# Allegro board T736_DEMO_DBOARD_V0-5-draft.brd (continued)
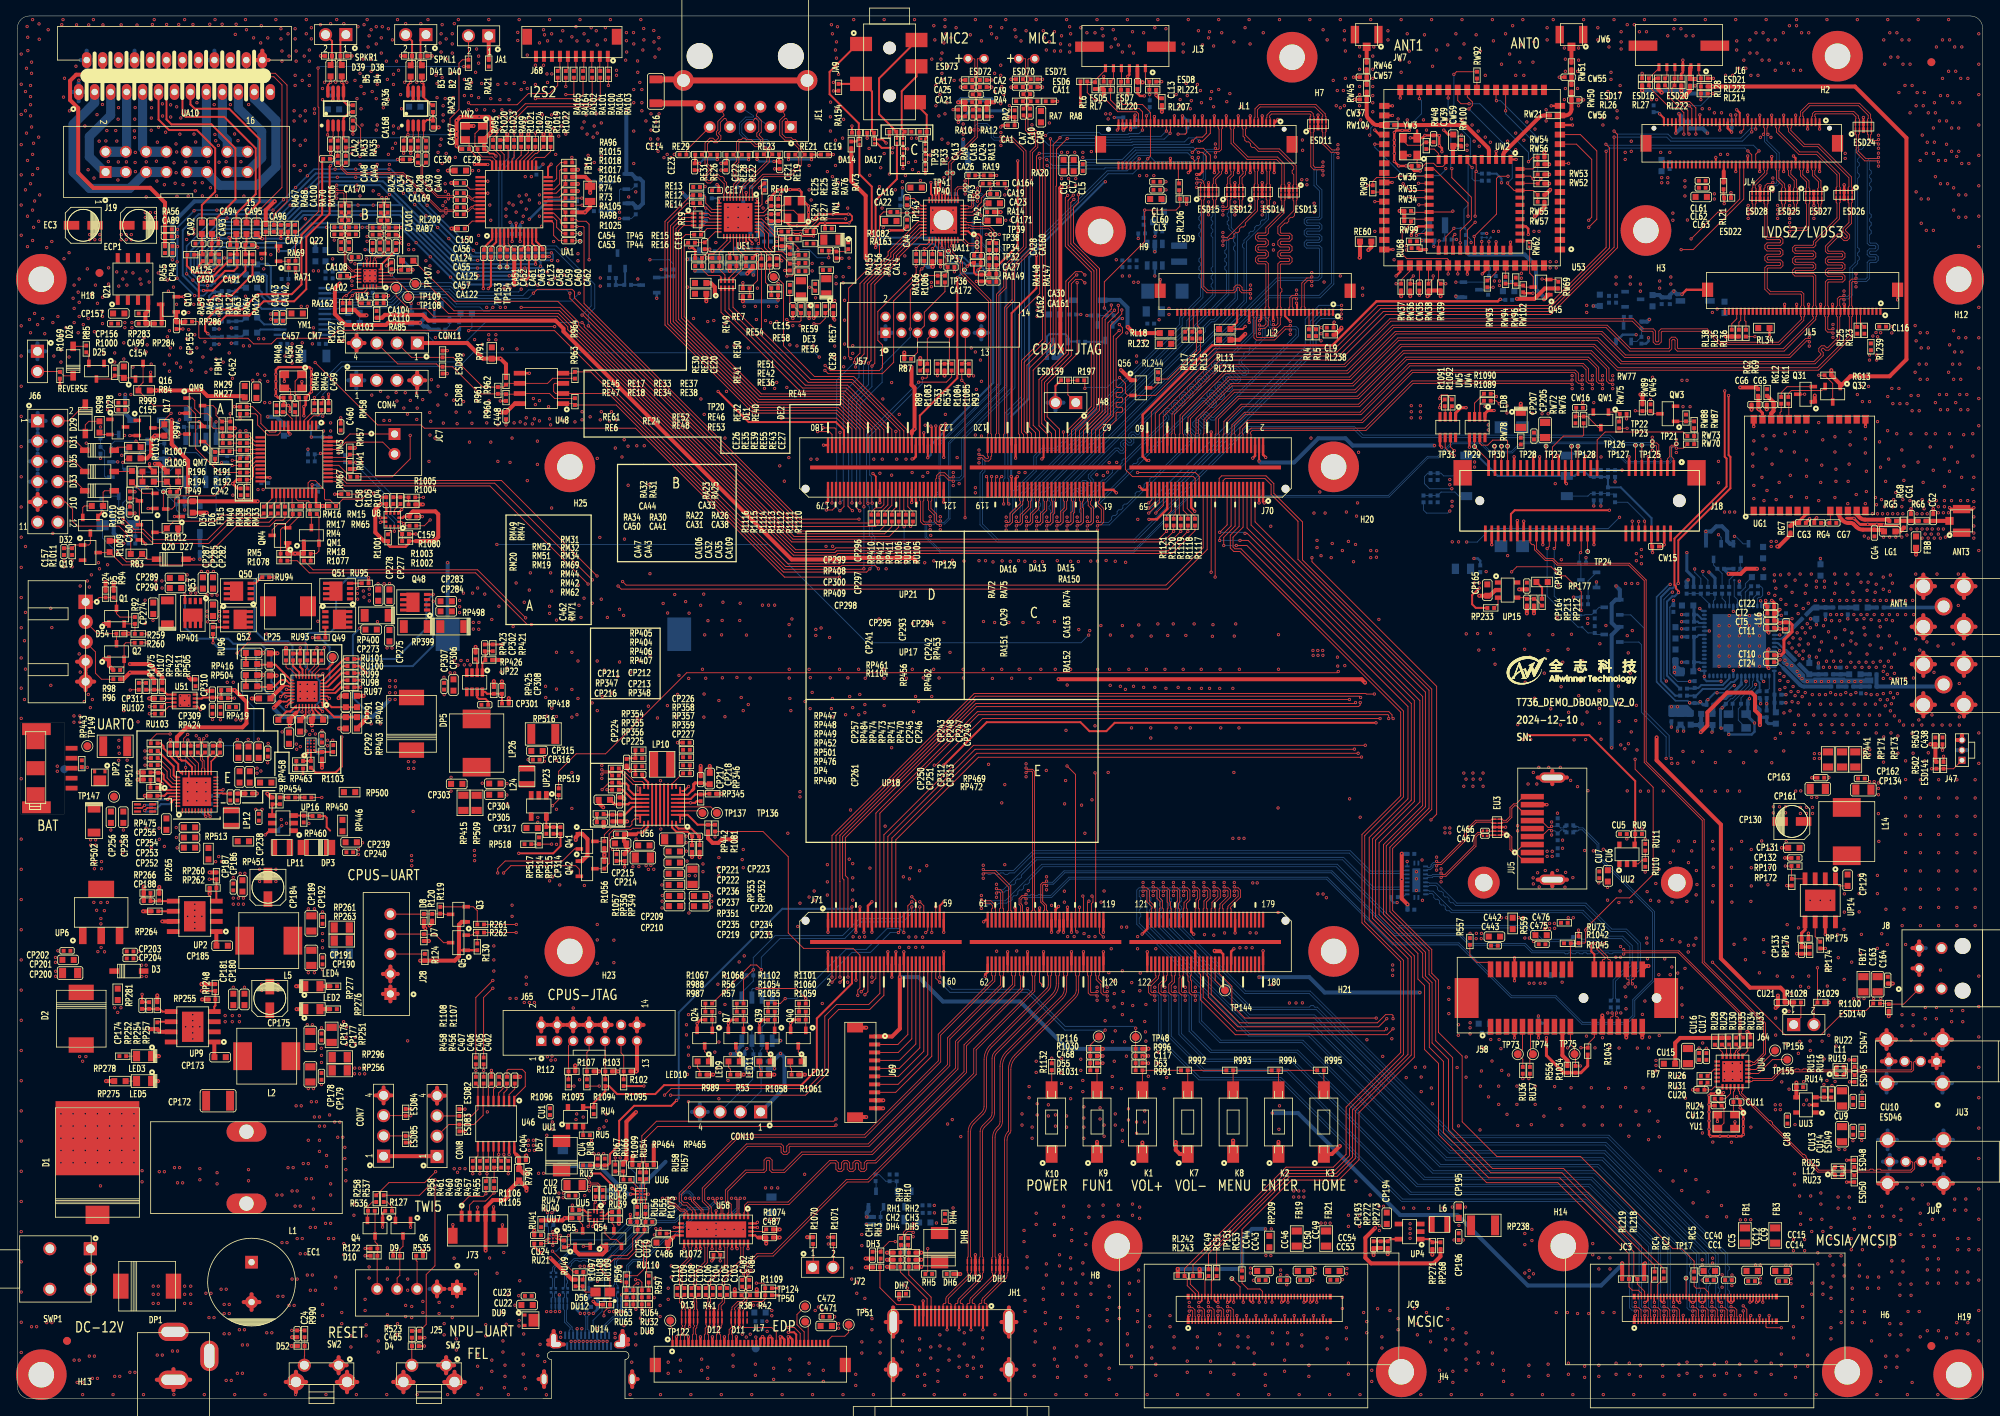
[diagram p0: board, top side]
## Placement (name value [footprint] x y rotation side) (continued)
RP492  0R  [R0402]  24.23 74.12 90 bottom
RP498  NC/0R  [R1206]  54.48 96.77 0 top
RP500  NC  [R0603]  41.62 76.02 180 top
RP501  NC/0R  [R0402]  16.26 78.49 0 top
RP502  NC/0R  [R1206]  9.6 72.45 90 top
RP504  0R  [R0402]  25.96 87.8 0 top
RP505  0R-1%  [R0402]  22.31 89.73 270 top
RP507  NC/0R  [R0805]  68.34 30.14 270 bottom
RP509  NC/0R  [R0805]  57.53 74.68 90 top
RP511  10K  [R0402]  18.16 89.28 90 top
RP512  0R  [R1210]  12.26 81.78 180 top
RP513  NC  [R0603]  23.94 68.31 90 top
RP514  20K-1%  [R0402]  66.27 71.22 90 top
RP515  91K-1%  [R0402]  67.16 71.22 90 top
RP516  NC/0R  [R1210]  65.89 83.31 0 top
RP517  100K  [R0402]  65.35 69.93 90 top
RP518  NC/100K  [R0402]  63.96 69.49 180 top
RP519  1K-1%  [R0402]  67.82 76.07 90 top
RT1  0R  [R0402]  208.74 89 180 bottom
RT2  0R  [R0402]  208.74 88.11 180 bottom
RT3  0R  [R0402]  214.45 101.32 90 bottom
RT4  0R  [R0402]  213.56 101.32 90 bottom
RT7  4K7  [R0402]  215.42 104.01 180 bottom
RT8  4K7  [R0402]  213.39 104.01 0 bottom
RT9  4R7  [R0603]  209.24 99.42 180 bottom
RT10  4R7  [R0603]  207.72 93.19 270 bottom
RT11  220R  [R0402]  226.52 98.74 270 bottom
RT12  220R  [R0402]  225.63 91.2 270 bottom
RT13  NC-10K  [R0402]  212.67 101.32 90 bottom
RT14  10K  [R0402]  209.12 101.32 90 bottom
RT15  2.2M  [R0402]  230.96 88.83 90 bottom
RT16  NC  [R0402]  211.78 101.32 90 bottom
RT17  NC  [R0402]  210.89 101.32 90 bottom
RU3  180K-1%  [R0402]  71.3 29.24 180 top
RU4  100K  [R0402]  72.2 36.09 90 top
RU5  6K8-1%  [R0402]  71.3 33.02 180 top
RU8  100K-1%  [R0402]  73.58 29.67 270 top
RU9  100K  [R0402]  203.1 70.76 180 top
RU10  6K8-1%  [R0402]  203.94 67.08 90 top
RU11  6K8-1%  [R0402]  203.94 69.11 270 top
RU12  0R  [R0402]  194.49 70.97 180 bottom
RU13  0R  [R0402]  194.49 71.86 180 bottom
RU14  NC/100K  [R0402]  223.29 39.04 180 top
RU15  6K8-1%  [R0402]  226.35 38.19 270 top
RU16  6K8-1%  [R0402]  227.25 38.19 270 top
RU17  0R  [R0201]  76.15 13.61 90 bottom
RU18  0R  [R0201]  68.36 13.59 90 bottom
RU19  0R  [R0402]  228.35 40.57 0 top
RU20  0R  [R0201]  68.96 13.59 90 bottom
RU21  0R  [R0402]  65.18 19.43 180 top
RU22  0R  [R0402]  228.35 41.59 0 top
RU23  0R  [R0402]  228.14 28.01 0 top
RU24  0R  [R0402]  213.06 37.59 180 top
RU25  0R  [R0402]  228.14 29.02 0 top
RU26  1K  [R0402]  211.32 40.46 0 top
RU28  100K  [R0402]  212.66 44.79 270 top
RU29  100K  [R0402]  213.55 44.8 270 top
RU30  100K  [R0402]  214.44 44.81 270 top
RU31  10K  [R0402]  211.31 39.61 0 top
RU32  2M  [R0402]  78.66 12.7 0 top
RU33  2K7-1%  [R0402]  217.11 44.85 270 top
RU34  0R  [R0402]  216.22 44.84 270 top
RU35  0R  [R0402]  215.33 44.83 270 top
RU36  NC/0R  [R0402]  188.59 41.15 90 top
RU37  NC/0R  [R0402]  189.48 41.15 90 top
RU38  0R  [R0402]  73.43 26.09 180 bottom
RU39  100K  [R0402]  74.93 22.5 0 top
RU40  100K  [R0402]  69.95 22.63 180 top
RU41  0R  [R0402]  65.61 21.92 90 top
RU42  0R  [R0201]  66.86 13.59 90 bottom
RU43  0R  [R0201]  74.63 13.61 90 bottom
RU44  0R  [R0201]  67.46 13.59 90 bottom
RU45  0R  [R0201]  75.23 13.61 90 bottom
RU46  0R  [R0201]  76.75 13.61 90 bottom
RU47  0R  [R0402]  69.95 23.65 180 top
RU48  0R  [R0402]  74.93 23.39 0 top
RU49  0R  [R0402]  68.48 19.41 270 top
RU50  5R1  [R0402]  71.73 13.28 270 bottom
RU51  5R1  [R0402]  70.92 13.28 270 bottom
RU52  0R  [R0402]  71.83 15.32 270 bottom
RU53  0R  [R0402]  70.82 15.32 270 bottom
RU54  10K  [R0402]  75.9 28.91 270 top
RU55  0R  [R0402]  78.69 23.6 270 top
RU56  0R  [R0402]  77.65 23.6 270 top
RU57  0R  [R0402]  78.79 27.94 90 top
RU58  0R  [R0402]  77.98 27.94 90 top
RU59  0R  [R0402]  76.35 27.46 180 top
RU63  100K  [R0402]  76.73 13.59 0 top
RU64  100K  [R0402]  78.66 13.59 180 top
RU65  2M  [R0402]  76.73 12.7 180 top
RU66  0R  [R0402]  73.33 25.73 270 top
RU67  0R  [R0402]  72.44 25.73 270 top
RU68  NC/0R  [R0402]  175.08 144.2 0 top
RU73  NC/0R  [R0402]  193.8 59.64 180 top
RU93  0R  [R0402]  38.16 95.39 0 top
RU94  0R  [R0402]  31.11 102.96 180 top
RU95  0R  [R0402]  43.57 102.2 0 top
RU96  0R  [R0402]  24.51 96.27 270 top
RU97  NC/0R  [R0402]  41.78 89.15 0 top
RU98  0R  [R0402]  41.78 90.04 0 top
RU99  NC/0R  [R0402]  41.78 90.93 0 top
RU100  NC/0R  [R0402]  41.78 91.82 0 top
RU101  0R  [R0402]  41.78 92.71 0 top
RU102  0R  [R0402]  17.65 86.74 180 top
RU103  0R  [R0402]  17.65 85.85 180 top
RU104  0R  [R0402]  37.21 92.96 90 top
RU105  0R  [R0402]  38.1 92.96 90 top
RU106  0R  [R0402]  36.32 92.96 90 top
RU107  0R  [R0402]  16.13 89.28 90 top
RU108  1K  [R0402]  70.82 14.5 90 top
RU109  47K  [R0402]  69.93 14.5 90 top
RU110  NC/0R  [R0402]  78.13 21.18 180 top
RW21  0R  [R0402]  192.43 160.83 0 top
RW31  10K  [R0402]  181.48 145.41 270 bottom
RW33  NC/0R  [R0201]  183.44 145.8 90 bottom
RW34  33K  [R0402]  174.17 147.57 180 top
RW35  33K  [R0402]  174.17 148.87 180 top
RW36  NC  [R0402]  174.5 139.32 270 top
RW37  33K  [R0402]  173.35 139.32 270 top
RW38  33K  [R0402]  176.78 139.32 270 top
RW39  33K  [R0402]  178.31 139.32 270 top
RW40  NC/100K  [R0402]  184.78 141.6 0 bottom
RW43  100K  [R0402]  184.78 140.72 180 bottom
RW44  NC/10K  [R0402]  183.9 152.65 0 bottom
RW45  0R  [R0402]  169.04 164.24 90 top
RW46  0R  [R0402]  169.04 167.03 90 top
RW47  NC/100K  [R0402]  183.9 153.54 180 bottom
RW48  0R  [R0402]  176.5 157.05 90 top
RW50  0R  [R0402]  194.69 164.24 90 top
RW51  0R  [R0402]  194.69 167.03 90 top
RW52  10K  [R0402]  190.88 152.3 0 top
RW53  10K  [R0402]  190.88 153.44 0 top
RW54  NC/10K  [R0402]  190.88 155.57 0 top
RW55  NC/10K  [R0402]  190.88 150.9 0 top
RW56  NC/10K  [R0402]  190.88 154.71 180 top
RW57  NC/10K  [R0402]  190.88 150.01 180 top
RW62  NC/0R  [R0201]  189.41 144.63 270 top
RW69  NC/10K  [R0402]  193.04 139.57 270 top
RW70  NC-33R  [R0402]  209.63 119.63 0 top
RW72  10K  [R0402]  195.2 122.68 270 top
RW73  0R  [R0402]  209.63 120.65 0 top
RW75  2K  [R0402]  200.66 122.05 270 top
RW76  NC-0R  [R0402]  196.22 122.68 90 top
RW77  100K  [R0402]  201.17 123.44 180 top
RW78  1K  [R0402]  188.34 120.02 90 top
RW79  2K  [R0402]  196.34 99.57 180 bottom
RW80  4K7  [R0402]  197.61 98.22 270 bottom
RW81  4K7  [R0402]  197.61 96.39 90 bottom
RW82  100K  [R0402]  196.34 100.46 0 bottom
RW83  10K  [R0402]  199.26 115.95 90 bottom
RW84  10K  [R0402]  199.26 113.79 270 bottom
RW85  33R  [R0402]  200.15 112.78 270 bottom
RW86  33R  [R0402]  176.15 112.78 270 bottom
RW87  2K  [R0402]  210.06 122.07 270 top
RW88  100K  [R0402]  209.04 122.92 270 top
RW89  10K  [R0402]  203.58 124.21 90 top
RW92  0R  [R0402]  182.85 165.89 270 top
RW93  0R  [R0402]  184.15 139.73 90 top
RW94  0R  [R0402]  186.44 140.18 90 top
RW96  4K7  [R0402]  187.71 140.08 90 top
RW97  4K7  [R0402]  184.25 138.79 270 bottom
RW98  0R  [R0402]  169.8 151.66 270 top
RW99  NC/0R  [R0402]  174.9 145.06 0 top
RW100  NC/0R  [R0402]  180.9 157.35 270 top
RW101  NC/0R  [R0201]  181.08 146.69 180 bottom
RW102  NC/4K7  [R0402]  188.65 139.09 90 top
RW103  0R  [R0402]  186.84 137.72 0 bottom
RW104  0R  [R0402]  172.06 159.63 180 top
SPKL1  CON1X2-2.54-F-DIP  [SKT1_2P254B250_528H850]  49.91 170.97 180 top
SPKR1  CON1X2-2.54-F-DIP  [SKT1_2P254B250_528H850]  39.88 170.97 180 top
SW2  RESET  [KEY4B260_780H350_THR]  38.1 3.14 180 top
SW3  FEL  [KEY4B260_780H350_THR]  51.56 3.14 180 top
SWP1  POWER-SW  [SW5B830_1995H520]  4.77 16.26 270 top
T112  TX  [TP30]  184.07 145.54 180 bottom
T115  RX  [TP30]  184.58 145.54 0 bottom
TP17  MCSI-FSIN0  [TP30]  209.04 15.11 270 top
TP20  CLK-FANOUT0  [TP100]  94.74 140.59 90 top
TP21  MICN  [TP30]  207.83 119.68 270 top
TP22  EARP  [TP30]  204.82 119.96 270 top
TP23  EARN  [TP30]  204.82 119.41 270 top
TP24  4G-FLY-MODE  [TP30]  196.72 106.17 0 top
TP25  4G-I2C-SCK  [TP30]  195.91 98.2 270 bottom
TP26  4G-I2C-SDA  [TP30]  196.04 96.7 270 bottom
TP27  PCMCLK  [TP30]  191.51 119.38 270 top
TP28  PCMCLK  [TP30]  186.69 119.38 90 top
TP29  PCMDOUT  [TP30]  185.04 119.38 90 top
TP30  PCMDI  [TP30]  185.93 119.38 90 top
TP31  PCMSYNC  [TP30]  182.55 119.33 270 top
TP32  TEST  [TP30]  120.22 144.37 180 top
TP33  TEST  [TP30]  117.2 153.62 180 top
TP34  TEST  [TP30]  120.22 144.93 180 top
TP35  TEST  [TP30]  116.46 153.62 180 top
TP36  TEST  [TP30]  118.64 141.48 180 top
TP37  TEST  [TP30]  116.64 143.81 180 top
TP38  TEST  [TP30]  121.92 145.92 180 top
TP39  TEST  [TP30]  122.48 145.92 180 top
TP40  TEST  [TP30]  118.73 151.53 180 top
TP41  TEST  [TP30]  118.73 152.09 180 top
TP42  TEST  [TP30]  120.27 150.62 180 top
TP43  TEST  [TP30]  120.27 151.18 180 top
TP44  AUDIO-TEST1  [TP30]  70.48 145.06 270 top
TP45  AUDIO-TEST2  [TP30]  70.48 146.02 90 top
TP46  TEST  [TP30]  215.09 102.59 270 bottom
TP48  LRADC0  [TP100]  140.1 45.33 270 top
TP49  BAT_DET  [TP30]  18.29 113.67 0 top
TP50  SCL  [TP100]  98.68 9.65 0 top
TP51  GP01  [TP100]  104.14 9.27 0 top
TP73  SMCLK  [TP100]  187.96 43.18 90 top
TP74  SMDAT  [TP100]  189.87 43.18 90 top
TP75  PCIE21-WAKEn  [TP100]  195.07 43.18 90 top
TP107  TRACE-D0  [TP100]  49.86 139.73 0 top
TP108  TRACE-CLK  [TP100]  48.97 138.07 0 top
TP109  TRACE-CLK  [TP100]  47.45 139.22 180 top
TP116  LRADC0  [TP100]  135.48 45.39 270 top
TP122  WP  [TP100]  81.79 9.78 0 top
TP123  BIST  [TP100]  92.49 6.3 180 bottom
TP124  SDA  [TP100]  98.68 11.56 0 top
TP125  LTE-UART-RX  [TP30]  203.51 119.51 270 top
TP126  LTE-UART-TX  [TP30]  202.71 119.51 270 top
TP127  LTE-UART-CTS  [TP30]  195.51 119.38 270 top
TP128  LTE-UART-RTS  [TP30]  194.71 119.38 270 top
TP129  FB  [TP100]  39.5 92.96 180 top
TP136  I2S-TP  [TP100]  87.63 73.41 90 top
TP137  I2S-TP  [TP100]  85.83 73.41 90 top
TP143  TEST  [TP30]  111.46 148.62 180 top
TP144  24M-OUT  [TP100]  151.28 51.18 0 top
TP147  VBAT  [TP100]  12.1 75.45 0 top
TP148  TS  [TP100]  5.87 78.89 180 bottom
TP149  GND  [TP100]  8.76 81.79 0 top
TP151  MCSI-FSIN0  [TP30]  152.15 15.05 90 top
TP152  MCSI-FSIN0  [TP30]  220.98 8.89 90 bottom
TP153  AUDIO-TEST1  [TP30]  60.45 141.83 180 top
TP154  AUDIO-TEST2  [TP30]  61.34 141.83 180 top
TP155  SMDAT  [TP100]  221.72 42.49 0 top
TP156  SMDAT  [TP100]  220.19 43.64 0 top
U8  NC/BMA253  [LGA12P50B200_200H100]  46.97 110.15 180 top
U43  AT8563/JXR160/SD2059  [SOP8P127B390_490H175]  22.99 117.6 270 bottom
U46  SP3232EEN  [SOP16P65B440_500H120]  59.97 34.46 270 top
U47  SP3485EN-L/TL  [SOP8P127B390_490H175]  92.66 47.57 270 bottom
U48  SP3485EN-L/TL  [SOP8P127B390_490H175]  65.66 126.62 180 top
U51  AXP2601/2  [DFN9P50B200_300H75]  20.95 87.5 180 top
U53  NF3205Q  [SUB_WIFI64B2200_2200H290]  182.24 153.03 180 top
U56  NC/TPS25762  [QFN29P50B500_600H100]  80.52 74.42 180 top
U57  CS4361-CZZ  [SOP20P65B440_650H120]  35.71 136.27 180 bottom
U58  Value  [QFN43P50B350_900H85]  87.53 21.21 270 top
U59  Value  [QFN21P50B250_450H90]  175.26 64.97 0 bottom
UA1  NC/AK7604_0  [QFP48P50B700_700H160]  62.23 150.34 90 top
UA2  LPA2010/LY8006  [MSOP8]  49.91 161.69 0 top
UA3  AC107  [QFN20P40B300_300H75]  44.17 140.74 180 top
UA4  LPA2010/LY8006  [MSOP8]  39.88 161.69 0 top
UA10  NC/TDA7851L  [AMP25P100B420_2930H2247]  19.68 169.88 90 top
UA11  AC101  [QFN40P0_40B5_00X5_00H0_75]  116.03 147.73 180 top
UE1  RTL8211F-CG/RTL8211FD-CG  [QFN41P40B500_500H85]  90.3 148.06 270 top
UG1  16x12_GNSS_Module  [DFN24P110B1220_1600H270]  224.52 117 90 top
UL1  RT9293B  [SOT6P95B160_290H145]  142.49 143.38 90 bottom
UM3  NC/STM32F103C8T6  [QFP48P50B700_700H160]  34.67 117.73 270 top
UP2  SA24403/SYQA303  [SOP9P127B390_490H170]  22.23 60.45 180 top
UP4  TLV62569DBVR  [SOT5P95B160_290H145]  174.41 20.94 180 top
UP6  TPS7B6933QDCYRQ1  [SOT4P230B350_650H180]  10.5 60.94 90 top
UP9  SA24403/SYQA303  [SOP9P127B390_490H170]  21.97 46.61 180 top
UP14  SA24403/SYQA303  [SOP9P127B390_490H170]  225.86 62.46 270 top
UP15  RY6211B-18C/SGM2028-ADJ  [SOT5P95B160_300H130]  186.69 101.35 0 top
UP16  LP6216  [SOT6P95B160_290H145]  33.27 72.14 180 top
UP17  BCT72905/AW3291X  [FCQFN12P40B130_180H55]  36.77 81.9 90 top
UP18  AXP515  [QFN41P40B500_500H85]  22.48 76.07 90 top
UP21  AXP519  [QFN33P40B400_400H75]  36.32 88.65 180 top
UP22  SY8263  [SOP8P65B160_290H110]  57.28 89.79 270 top
UP23  TLV62569DBVR  [SOT5P95B160_290H145]  65.32 74.28 270 top
UT1  TDA7708  [QFN65P50B900_900H100]  215.72 94.97 180 bottom
UU1  SY6280  [SOT5P95B160_300H130]  69.93 35.33 90 top
UU2  SY6280  [SOT5P95B160_300H130]  201.65 68.22 90 top
UU3  SY6280  [SOT5P95B160_300H130]  224.06 36.82 180 top
UU4  FE1.1s_QFN  [QFN25P50B400_400H75]  214.87 41.01 90 top
UU5  SGM7237B  [QFN10P40B140_180H55]  72.44 22.94 270 top
UU6  HUSB311  [BGA9P40B135_140H58]  78.16 25.63 90 top
UU7  WAS4766C  [BGA9P40B117_117H58D5]  67.08 20.07 270 top
UW2  AW8X9X  [SUB_WIFI44B1200_1200H150]  182.55 149.63 270 top
UW4  MS4553S  [SOT8P65B160_290H100]  182.88 121.77 270 top
UW5  MS4553S  [SOT8P65B160_290H100]  179.2 121.77 270 top
Y4  36.864MHz  [X4B250_320H120_SMD]  215.47 84.94 90 bottom
Y5  32.768KHz  [X2B150_320H75_SMD]  22.61 123.44 180 bottom
YM1  16M-10PPM  [X4B250_320H120_SMD]  34.54 127.51 270 top
YN1  NC/25M-12pF-10ppm  [X4B250_320H120_SMD]  97.36 149.05 180 top
YN2  12.288M-12pF-10ppm  [X4B250_320H120_SMD]  57.19 158.64 270 top
YU1  12M-18pF-20ppm  [X4B250_320H120_SMD]  214.07 34.72 270 top
YW3  NC/37.4M-8pF-9ppm  [X4B250_320H120_SMD]  174.47 156.92 180 top

## Library data of the parts
ANT3 = SMA/RF_1
ANT4 = ANTENNA_2
ANT5 = ANTENNA_1
B1-B5 = FB-0603
BT4 = BATTERY_0
C24 C117 C153-C157 C160 C224 C225 C438 C443 C465 C468 C472 C473 C475 C478 C479 C487 CA26 CA28-CA50 CA101-CA110 CA138-CA145 CA160-CA164 CA167-CA170 CA172 CE1-CE11 CE14-CE30 CH1-CH3 CP132 CP156 CP162-CP166 CP177 CP179 CP181 CP187 CP191 CP192 CP202 CP204 CP207 CP208 CP238 CP241 CP242 CP251 CP259 CP303 CP304 CP306 CU11 CU12 CU18 CU19 CU23-CU25 CW22 CW23 CW35-CW37 CW39 CW53-CW57 CW59 = C-C0402
C103 = C-C0402: signal model: wistron_C103
C104 = C-C0402: signal model: wistron_C104
C105 = C-C0402: signal model: wistron_C105
C106 = C-C0402: signal model: wistron_C106
C107 = C-C0402: signal model: wistron_C107
C108 = C-C0402: signal model: wistron_C108
C109 = C-C0402: signal model: wistron_C109
C110 = C-C0402: signal model: wistron_C110
C113 C442 C471 C474 C476 C477 C486 CA1 CA2 CA7-CA11 CA13 CA17 CA18 CA20 CA21 CA24 CA25 CA27 CL68 CP129 CP133 CP134 CP161 CP173 CP174 CP176 CP178 CP185 CP188-CP190 CP193-CP196 CP200 CP203 CP205 CP206 CP210-CP218 CP220 CP221 CP223-CP227 CP239 CP240 CP243-CP250 CP252-CP258 CP260 CP261 CP273-CP302 CP305 CP307-CP317 CU2 CU6 CU9 CU13 CU15 CU22 = C-C0603
C150-C152 CA99 CP172 CT1-CT4 CT6-CT8 CT12 CT14 CT22 CT24-CT39 = CAP NP
C158 C159 C449-C451 CC1 CC5 CC9 CC12 CC14 CC15 CC40 CC43 CC44 CC46 CC49 CC50 CC53 CC54 CT40 CW14-CW21 CW45 = CAPACITOR_0
C163 CH4-CH6 CL2 CL10-CL12 CL17-CL19 CP131 CP157 CP180 CP186 CP201 CP209 CP219 CP222 CP233-CP237 = C-C0805
C164 C242 C403 C404 C448 = CAPACITOR
C228 = C-C0402: signal model: wistron_C228
C229 = C-C0402: signal model: wistron_C229
C402 C405-C407 = CAP
C446 = C-C0402: signal model: wistron_C446
C447 = C-C0402: signal model: wistron_C447
C452 CA51-CA66 CA122-CA125 = NC-0603_1
C453-C455 C458-C462 CA89-CA91 CA97 CA98 CA100 CA147 CA151-CA153 CA158 CA159 CP155 = NC-0402_0
C456 C457 CM7 = CAPACITOR_0: room: CPU
C466 = C-C0402: signal model: wistron_C466
C467 = C-C0402: signal model: wistron_C467
C482 = C-C0402: signal model: wistron_C482
C484 = C-C0402: signal model: wistron_C484
C488 = C-C0402: signal model: wistron_C488
C489 = C-C0402: signal model: wistron_C489
CA3 CA5 CA6 CA19 = CAPACITOR_0: room: POWER
CA4 CL1 CL3-CL8 CL14 CL15 CL60-CL66 = CAPACITOR_0: room: LVDS
CA14-CA16 CA22 CA23 CA171 = CAPACITOR_0: room: AC100
CA92-CA96 CA146 CA148-CA150 CA165 CA166 = NC-0805_0
CG1-CG7 CL9 CL13 CL16 CL20 CL67 CL69 CU1 CU3-CU5 CU7 CU8 CU10 CU14 CU16 CU17 CU20 CU21 = C-C0402: room: EMMC
CON4 = CON1X4-2.54-F-DIP
CON7 CON8 CON10 CON11 = RT9266PE_3
CP48 = NC-0603_0
CP130 CP175 CP184 ECP1 = C-POL
CT5 CT9-CT11 CT13 CT15-CT21 CT23 = C
D1 = 5KP22A_0
D2 DP1 DP5 = DIODE_0
D3 = ZENER-BZT52C18
D4 D5 D7-D10 D52-D55 = ESD5451X_0
D11-D13 DH1 DH2 = ESD-ULC0524P
D24 = DIO-1N5819HW
D25 D28 D30 D32 D34 = BAT54C/SOT_5
D26 D27 D29 D31 D33 D35 = DIO-XBS104S14
D36 = BAS70-04_1
D38-D41 ESD70-ESD73 = ESD5451X
D45 D46 DH9 DL1 DL2 = DIODE_SCHOTTKY_0
D56 = DIO-IN5819: Tolerance: RichardLC
D57 DH8 = DIO-SS24
DA13-DA17 DH3-DH7 DH10 = ESD9B5VL_0
DE1-DE3 = LED-0805-R
DL3 = DIO-SS16F
DP2 DU9 = DIODE SCHOTTKY_1
DP3 = D_1
DP4 = LED-0805-G
DU8 DU10-DU14 ESD82-ESD89 ESD140 = ESD9B5VL
EC1 = CAP13X25-W_0
EC3 = CAP-ELESMD-4_0
ESD5 ESD6 ESD16 ESD17 ESD42 ESD43 ESD45 ESD47 ESD48 ESD50 = TVS-WBFBP-02C
ESD7-ESD10 ESD20-ESD23 ESD44 ESD46 ESD49 = TVS-FBP-02C
ESD11-ESD15 ESD24-ESD28 = RCLAMP3324P
ESD54-ESD57 ESD139 ESD141 = 1_1.5KE100A
EU1 EU2 = ESD_ESD5304D
EU3 = ESD_ESD5304D_0
FB1 FB3 FB16 FB17 FB19 FB21 LL1 = INDUCTOR_3
FB7 FB8 FB15 FBM1 = INDUCTOR: signal model: DEFAULT_INDUCTOR_0.001nH_1_2
FB10-FB14 = FERRITE BEAD_0
H2-H4 H6-H9 H12-H14 H18-H21 H23 H25 = HOLE
J1 = BNC-2
J3 = SIM-SLOT_0
J8 = SPDIF-OPTICAL
J10 = CON2X6-2.54-M
J18 = 6140045100G_0
J19 = CON2X8-2.54-F-SMD
J24 J25 J28 = XH2.54MM-5P-M
J47 = IR_Module
J48 J66 = CON1X2-2.54-M
J57 J65 = DC3-2.0MM-14P
J58 = PCIE-36PIN_2
J64 J72 JA1 SPKL1 SPKR1 = CON1X2-2.54-F-DIP
J68 J69 = CON1X2-2_0.54-M
J70 J71 = LB232-180S-B3R-01-1
J73 = CON1X2-2_2.54-M
JA9 = PJ-327F
JC3 JC9 = MIPI_90_CON_F_0
JC7 = XH2.54MM-2P-M
JE1 = RJ45-HFJ11-1G01E
JH1 = HDMI-Type-A-SLOT
JL1 JL4 = DF17-3.0-80DS-0.5V
JL2 JL5 = LVDS_CN_2
JL3 JL6 = CTP_CN_2
JL7 = FPC-40P-0.5MM-B-EDP
JP11 = J_BAT
JP12 = J_BAT_TS
JU2 = Type-C-CSTU-16022400E_0
JU3 JU4 = USB2.0-A-02F
JU5 = USB3-MICRO-B_4
JW6 JW7 = ANT-IPX
K1-K3 K7-K10 = KEY-02P-SMD-01
L1 = UTC221408-842MAB_1
L2 L5 L14 = L-LVS505040-6R8-N
L6 L24 = L-HEI252010A-1R5M-Q8
L10-L12 = ICMS212B900MFR_1
L15 L16 L21-L23 = BLM18BD102SN1
L17-L20 LP10 = INDUCTOR
LE1 = L-L2016
LED2-LED5 LED8-LED12 = LED_0
LG1 = L-L2520_2
LP11 = L_4012
LP12 = L-L3225
LP25 LP26 = L_LP200_250H120
LU3-LU5 LU7 = ICMS212B900MFR_0
LU6 = ICMS212B900MFR_0: signal model: wistron_LU6
LW2 = INDUCTORS OF FERRITE
MIC1 MIC2 = MIC-DGHSEM6050
Q1-Q6 Q25-Q32 Q41 Q42 Q45 Q46 Q54-Q56 = NMOS-BSN20
Q7 Q10 Q14 Q16-Q20 Q22 Q24 Q39 Q40 Q47 QH5 QL2 QL4 QM7 QM9 QW1-QW3 = NPN-MMBT3904_0
Q9 Q23 = NMOS-2N7002
Q12 QH4 QL1 QL3 = FDS4953_1
Q15 = PNP-LMBT3906LT1G
Q21 = MOS_SOP8_APM9435_0
Q48-Q52 = NMOS_1
Q53 = PMOS_2
QM1 QM4 = BSN20
R38 R41 R42 R502 R503 R523 R556 R557 R965 R990 R1028 R1029 R1032 R1034 R1037 R1042 R1043 R1045 R1062 R1070-R1074 R1109 R1122 R1123 RA2 RA4 RA5 RA7-RA10 RA12 RA13 RA19-RA36 RA72-RA76 RA85-RA87 RA94-RA105 RA124-RA127 RA132 RA147-RA152 RA154 RA157-RA165 RE1-RE8 RE10-RE23 RE25-RE61 RH1-RH5 RH9 RH10 RL3 RL6 RL7 RL11 RL21 RL26-RL28 RL32 RL40 RL206 RL207 RL214 RL215 RL218-RL223 RL228 RL238 RL239 RL242 RL243 RP170 RP172 RP174-RP176 RP212 RP213 RP233 RP248 RP252 RP254 RP255 RP257 RP260 RP262 RP264-RP266 RP268 RP271-RP273 RP345-RP350 RP354-RP359 RP399-RP412 RP415 RP416 RP418 RP419 RP421-RP426 RP442-RP465 RP469 RP472-RP474 RP476 RP484 RP490-RP492 RP498 RP500-RP502 RP504 RP505 RP509 RP511 RP513-RP515 RP517-RP519 RU21 RU24 RU28-RU30 RU32 RU38-RU41 RU47-RU51 RU54-RU59 RU63-RU65 RU93-RU107 RW21 RW31 RW33-RW40 RW43 RW44 RW47 RW48 RW52-RW57 RW62 RW69 RW92-RW94 RW98-RW101 RW103 RW104 = R-R0402-5%
R53 R56 R79-R81 R790 R791 R988 R989 R1015-R1024 R1054 R1058 R1060 R1061 RA68-RA71 RA106 RA143 RH20-RH23 RL8-RL10 RL29-RL31 RM4 RM16 RM33 RM35 RM38 RM40-RM42 RM44-RM46 RM48 RM62 RM63 RM70 RM71 RT1 RT2 RT16 RT17 = RESISTOR
R57 R73 R74 R199 R987 R1025 R1055 R1059 R1110-R1121 RA55 RA56 RA59 RA61 RA63 RA64 RA67 RA116-RA123 RA135-RA138 RA145 RP283 RP284 RP286 = NR-0402_0
R69-R72 R465 R466 R469 R470 R784 R785 R1026 R1027 RL4 RL5 RL14 RL15 RL17 RL23 RL25 RL35 RL36 RL38 RL224 RL225 RL227 RL230 RL244 RM5 RM15 RM17 RM18 RT7 RT8 RT13 RT14 RW72 RW80 RW81 RW89 RW96 RW97 RW102 = R-R0402: room: EMMC
R82-R86 R106 R596 R597 R991-R1000 R1006-R1013 R1030 R1031 R1069 R1132 RM19 RM20 RM47 RM49 RM51 RM52 RM65 RM67 = R-R0402-1%
R87 R89 R92-R94 R96 R98 R102 R103 R107 R112 R119 R120 R122 R124 R127 R130 R258-R262 R533-R537 = R-R0805-5%
R104 R105 R191-R194 R196 R1004 R1005 R1079 R1080 = RES
R158 R1067 R1068 R1075 R1077 R1078 R1081-R1086 R1089-R1108 RA11 RA14-RA18 RA155 RA156 RA166 = R: room: AC100
R197 RG2 RG4-RG9 RG11-RG13 = R: room: TCARD
R449 R450 R455-R458 R963 R964 R1001-R1003 R1056 R1057 RC2 RC4 RC5 RC49 RC51 RC53 RH25 RL12 RL33 RM27 RM29 RM31 RM32 RM34 RM57 RM58 RM69 RP275-RP278 RT3 RT4 RT9-RT12 RT15 RU26 RW70 RW73 RW75-RW79 RW82-RW88 = R
R451-R453 R960-R962 = R1 0805
R459-R461 R958 RM50 = R: room: TVLCD
R559 RP171 RP173 RP177 RP238 RP247 RP251 RP253 RP256 RP259 RP261 RP263 RP281 RP296 RP299 RP300 RP304 RP351-RP353 RP441 RP507 RP512 RP516 = R-R0603-1%
R1035 = R-R0402-5%: signal model: wistron_R1035
R1036 = R-R0402-5%: signal model: wistron_R1036
RE9 RE24 = R-RP8-0402-5%
RL13 RL18 RL34 RL39 RL209 RL226 RL231-RL237 = R-R0603
RP209 = R-R0805-1%
RP470 = R-R0402-5%: signal model: wistron_RP470
RP471 = R-R0402-5%: signal model: wistron_RP471
RP475 = SMR0805
RU3-RU5 RU8-RU11 RU14-RU16 RU31 RU33 RU108 RU109 = R-R0402-5%: room: EMMC
RU12 = R-R0402-5%_0: signal model: wistron_RU12
RU13 = R-R0402-5%_0: signal model: wistron_RU13
RU17 = R-R0402-5%: signal model: wistron_RU17
RU18 = R-R0402-5%: signal model: wistron_RU18
RU19 = R-R0402-5%_0: signal model: wistron_RU19
RU20 = R-R0402-5%: signal model: wistron_RU20
RU22 = R-R0402-5%_0: signal model: wistron_RU22
RU23 = R-R0402-5%_0: signal model: wistron_RU23
RU25 = R-R0402-5%_0: signal model: wistron_RU25
RU34 = R-R0402-5%: signal model: wistron_RU34
RU35 = R-R0402-5%: signal model: wistron_RU35
RU36 RU37 RU68 RU73 RU110 = R-R0402-5%_0
RU42 = R-R0402-5%: signal model: wistron_RU42
RU43 = R-R0402-5%: signal model: wistron_RU43
RU44 = R-R0402-5%: signal model: wistron_RU44
RU45 = R-R0402-5%: signal model: wistron_RU45
RU46 = R-R0402-5%: signal model: wistron_RU46
RU52 = R-R0402-5%: signal model: wistron_RU52; room: EMMC
RU53 = R-R0402-5%: signal model: wistron_RU53; room: EMMC
RU66 = R-R0402-5%: signal model: wistron_RU66
RU67 = R-R0402-5%: signal model: wistron_RU67
RW45 RW46 RW50 RW51 = R-R0402-5%: signal model: R-R0402-5%_R0402_0R_0R
SW2 SW3 = KEY2P-DIP-V
SWP1 = SW-5P-DIP_0
T112 T115 = TestPoint-on wire
TP17 TP21-TP46 TP49 TP125-TP128 TP143 TP151-TP154 = TEST POINT SURFACE
TP20 TP48 TP50 TP51 TP73-TP75 TP107-TP109 TP116 TP122-TP124 TP129 TP136 TP137 TP144 TP147-TP149 TP155 TP156 = TestPoint-SMD
U8 = BMA222
U43 = PCF8563
U46 = MAX3237CAI_1
U47 U48 = M2016_0
U51 = CW2015_2
U53 = NF3205Q
U56 = TPS25762_0
U57 = CS4361-CZZ
U58 = CBTL04083BBS: signal model: wistron_U58
U59 = TMUXHS4212_0
UA1 = AK7604_0
UA2 UA4 = LY8006_0: User Part Number: pn; Tolerance: RichardLC
UA3 = AC107s_standard_0
UA10 = Flexiwatt25-X_0
UA11 = AXP22x_0
UE1 = RTL8211F
UG1 = FEB1216_0
UL1 = RT9293B
UM3 = STM32F103C8T6
UP2 UP9 UP14 = LMR14030_0
UP4 UP23 = SY8088_0
UP6 = TPS7B6933QDCYRQ1
UP15 = SGM2028
UP16 = LP6216
UP17 = BCT72901
UP18 = AW1760_6
UP21 = AXP519
UP22 = SY8263
UT1 = STA610_3
UU1-UU3 = SY6280
UU4 = FE1_1s_B_QFN24
UU5 = SGM7237B: signal model: wistron_UU5
UU6 = HUSB311
UU7 = WAS4766C
UW2 = MODULE_AP6XXX_0
UW4 UW5 = MP2610_3
Y4 = XTAL_36.864MHz
Y5 = CRY-25MHz-SMD
YM1 = CRYSTAL-4_1: room: CPU
YN1 YN2 = CRY-24MHz-3225-SMD_0
YU1 = CRY-24MHz-3225-SMD
YW3 = CRY-37.4MHz-3225-SMD

## Footprints (pads in the part's own frame, mm; a bottom-side part is the same pattern mirrored in y, then rotated)
AMP25P100B420_2930H2247
  oval 1.999x1.199 hole 0.8: 1(-6.101,11.999) 2(-2.101,11.001) 3(-6.101,10) 4(-2.101,8.999) 5(-6.101,8.001) 6(-2.101,7) 7(-6.101,5.999) 8(-2.101,5.001) 9(-6.101,4) 10(-2.101,3) 11(-6.101,1.999) 12(-2.101,1.001) 13(-6.101,0) 14(-2.101,-1.001) 15(-6.101,-1.999) 16(-2.101,-3) 17(-6.101,-4) 18(-2.101,-5.001) 19(-6.101,-5.999) 20(-2.101,-7) 21(-6.101,-8.001) 22(-2.101,-8.999) 23(-6.101,-10) 24(-2.101,-11.001) 25(-6.101,-11.999)
ANT3B300_310H125
  rect 1.049x2.2 smd: 1(-1.476,0) 2(1.476,0)
  rect 1.001x1.049 smd: 3(0,1.524)
BAT_SMD-3
  rect 1.78x2.29 smd: 1(-3.27,0) 2(0,0) 3(3.27,0)
BGA9P40B117_117H58D5
  custom 0.21x0.249 smd: A1(-0.4,0.4) A2(0,0.4)
  round 0.25 smd: A3(0.4,0.4) B1(-0.4,0) B2(0,0) B3(0.4,0) C1(-0.4,-0.4) C2(0,-0.4) C3(0.4,-0.4)
BGA9P40B135_140H58
  round 0.25 smd: A1(-0.4,0.4) A2(0,0.4) B1(-0.4,0) B2(0,0) C1(-0.4,-0.4) C2(0,-0.4) C3(0.4,-0.4)
  custom 0.249x0.21 smd: A3(0.4,0.4) B3(0.4,0)
C0201
  rect 0.3x0.3 smd: 1(-0.25,0) 2(0.25,0)
C0402
  rect 0.5x0.5 smd: 1(-0.424,0) 2(0.424,0)
C0603
  rect 0.759x0.759 smd: 1(-0.711,0) 2(0.711,0)
C0805
  rect 0.899x1.3 smd: 1(-0.95,0) 2(0.95,0)
C1206
  rect 1.001x1.6 smd: 1(-1.501,0) 2(1.501,0)
C1210
  rect 1.001x2.499 smd: 1(-1.501,0) 2(1.501,0)
CA430H540
  rect 1.951x1.1 smd: 1(-1.476,0) 2(1.476,0)
CA1000H1250_THR
  rect 1.6x1.6 hole 0.8: 1(-2.499,0)
  round 1.6 hole 0.8: 2(2.499,0)
CON-R5S-P1_3-H1_5-R
  rect 1.5x0.6 smd: 1(0,2.5) 2(0,1.25) 3(0,0) 4(0,-1.25) 5(0,-2.5)
  rect 3.6x1.5 smd: 6(4.4,-4.9) 7(4.4,4.9)
CR2B2000_2850H550
  rect 3x4.201 smd: 1(-14.501,0) 2(14.501,0)
DFN3P130B200_200H65
  rect 0.399x0.5 smd: 1(0.65,0.749) 2(-0.65,0.749)
  rect 1.6x1.351 smd: 3(0,-0.424)
DFN5P65B300_450H85-T
  rect 0.8x0.4 smd: 1(-1.55,0.975) 2(-1.55,0.325) 3(-1.55,-0.325) 4(-1.55,-0.975)
  custom 0.612x0.612 smd: 5(0.62,0.005)
DFN9P50B200_300H75
  rect 0.701x0.3 smd: 1(-1.35,0.75) 2(-1.35,0.25) 3(-1.35,-0.25) 4(-1.35,-0.75) 5(1.35,-0.75) 6(1.35,-0.25) 7(1.35,0.25) 8(1.35,0.75)
  rect 1.5x1.6 smd: 9(0,0)
DFN24P110B1220_1600H270
  rect 1.1x0.8 smd: 1(-5.751,7) 2(-5.751,5.9) 3(-5.751,4.801) 4(-5.751,3.701) 5(-5.751,2.601) 6(-5.751,1.501) 7(-5.751,0.399) 8(-5.751,-2.601) 9(-5.751,-3.701) 10(-5.751,-4.801) 11(-5.751,-5.9) 12(-5.751,-7) 13(5.751,-7) 14(5.751,-5.9) 15(5.751,-4.801) 16(5.751,-3.701) 17(5.751,-2.601) 18(5.751,0.399) 19(5.751,1.501) 20(5.751,2.601) 21(5.751,3.701) 22(5.751,4.801) 23(5.751,5.9) 24(5.751,7)
ESD10P50B100_250H55
  rect 0.2x0.6 smd: 1(-1,-0.4) 2(-0.5,-0.4) 4(0.5,-0.4) 5(1,-0.4) 6(1,0.4) 7(0.5,0.4) 9(-0.5,0.4) 10(-1,0.4)
  rect 0.4x0.6 smd: 3(0,-0.4) 8(0,0.4)
ESD0402
  rect 0.5x0.5 smd: 1(-0.424,0) 2(0.424,0)
FCQFN12P40B130_180H55
  round 0.25 smd: A1(-0.6,0.4) A2(-0.2,0.4) A3(0.2,0.4) A4(0.6,0.4) B1(-0.6,0) B2(-0.2,0) B3(0.2,0) B4(0.6,0) C1(-0.6,-0.4) C2(-0.2,-0.4) C3(0.2,-0.4) C4(0.6,-0.4)
FPC8P100B515_1090H340_B
  rect 0.399x1.001 smd: 1(-2.499,2.776) 2(-1.501,2.776) 3(-0.5,2.776) 4(0.5,2.776) 5(1.501,2.776) 6(2.499,2.776)
  rect 3.599x1.3 smd: 7(4.501,0.076) 8(-4.501,0.076)
FPC42P50B450_2410H150
  rect 0.3x0.899 smd: 1(-9.751,2.601) 2(-9.251,2.601) 3(-8.75,2.601) 4(-8.25,2.601) 5(-7.75,2.601) 6(-7.249,2.601) 7(-6.749,2.601) 8(-6.251,2.601) 9(-5.751,2.601) 10(-5.25,2.601) 11(-4.75,2.601) 12(-4.249,2.601) 13(-3.749,2.601) 14(-3.251,2.601) 15(-2.751,2.601) 16(-2.25,2.601) 17(-1.75,2.601) 18(-1.25,2.601) 19(-0.749,2.601) 20(-0.249,2.601) 21(0.249,2.601) 22(0.749,2.601) 23(1.25,2.601) 24(1.75,2.601) 25(2.25,2.601) 26(2.751,2.601) 27(3.251,2.601) 28(3.749,2.601) 29(4.249,2.601) 30(4.75,2.601) 31(5.25,2.601) 32(5.751,2.601) 33(6.251,2.601) 34(6.749,2.601) 35(7.249,2.601) 36(7.75,2.601) 37(8.25,2.601) 38(8.75,2.601) 39(9.251,2.601) 40(9.751,2.601)
  rect 1.4x1.801 smd: 41(11.9,-0.099) 42(-11.9,-0.099)
HDMI23P50B1215_1500H838
  rect 0.3x2.601 smd: 1(-4.501,-5.286) 2(-4,-5.286) 3(-3.5,-5.286) 4(-3,-5.286) 5(-2.499,-5.286) 6(-1.999,-5.286) 7(-1.501,-5.286) 8(-1.001,-5.286) 9(-0.5,-5.286) 10(0,-5.286) 11(0.5,-5.286) 12(1.001,-5.286) 13(1.501,-5.286) 14(1.999,-5.286) 15(2.499,-5.286) 16(3,-5.286) 17(3.5,-5.286) 18(4,-5.286) 19(4.501,-5.286)
  oval 1.501x3.299 hole 0.899x2.7: 20(7.249,-4.524) 21(-7.249,-4.524)
  oval 1.501x2.301 hole 0.899x1.699: 22(7.249,1.435) 23(-7.249,1.435)
HDR1_2P250B570_750H700
  rect 1.501x1.501 hole 0.899: 1(-0.5,1.25)
  round 1.501 hole 0.899: 2(-0.5,-1.25)
HDR1_2P254B250_508H254
  rect 1.651x1.651 hole 1.1: 1(-1.27,0)
  round 1.651 hole 1.1: 2(1.27,0)
HDR1_4P254B250_1016H254
  rect 1.651x1.651 hole 1.1: 1(-3.81,0)
  round 1.651 hole 1.1: 2(-1.27,0) 3(1.27,0) 4(3.81,0)
